# KiCad board ddr5-testboard.kicad_pcb (continued)
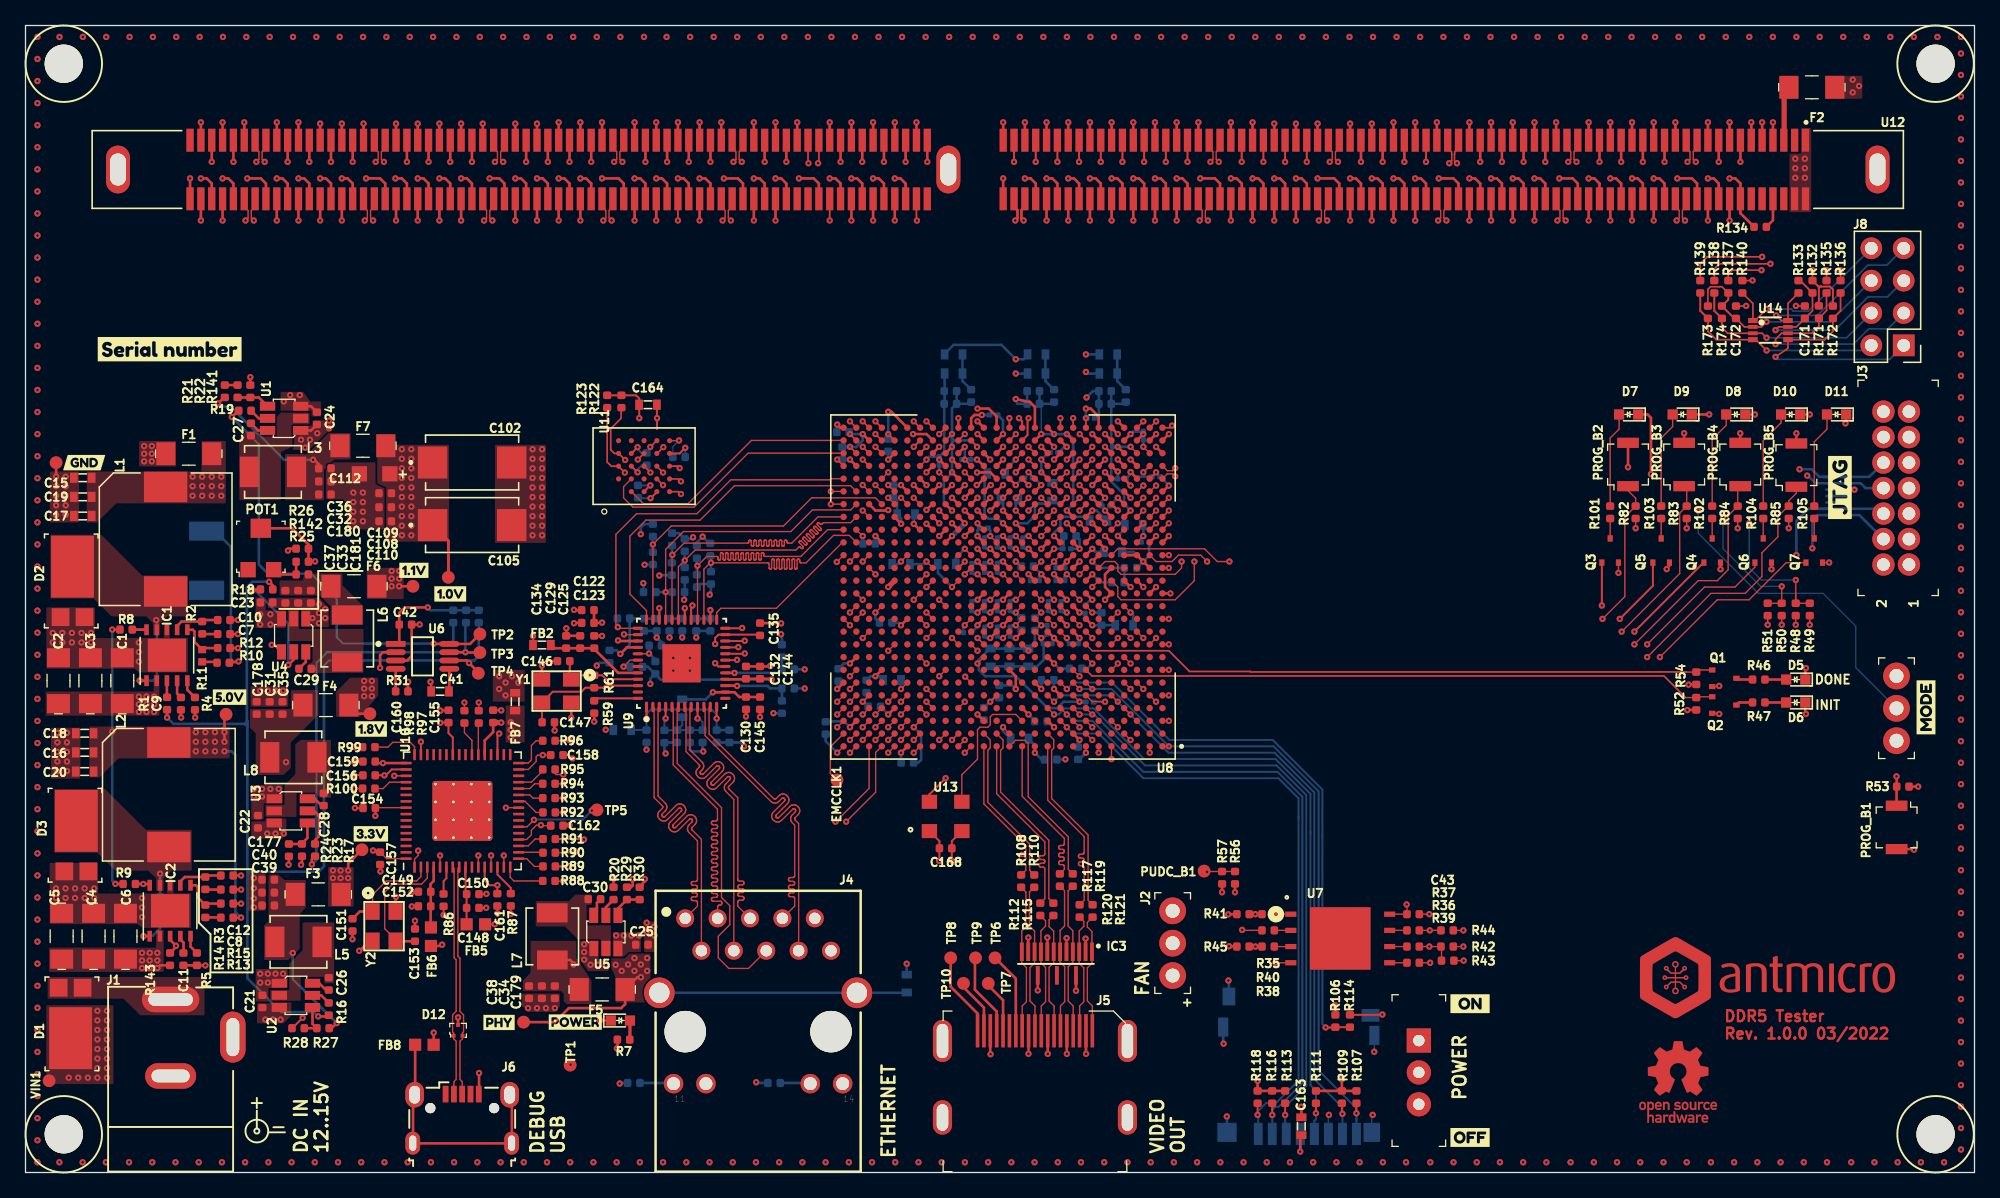
[diagram p0: board, top side]
## Routing (per net, layer and track width the routed paths; a pad name or vN(x,y) marks a point on that pad's centre or on a via; arc(x,y) is an arc through that point) (continued)
DQ14_B: length 61.5
  Top w0.2: U12.263 v1(34.15,74.7) ; U8.AB15 74.64,53.94 v1(74.57,53.94)
  In7.Cu w0.127: v1(34.15,74.7) 34.15,74.15 34.15,74.12 34.14,74.09 34.12,74.07 34.1,74.05 34.08,74.04 34.05,74.03 34.02,74.02 33.92,74.02 33.89,74.02 33.86,74.01 33.84,74 33.82,73.98 33.8,73.95 33.79,73.92 33.79,73.9 33.79,73.87 33.8,73.84 33.82,73.82 33.84,73.8 33.86,73.78 33.89,73.77 33.92,73.77 34.38,73.77 34.41,73.77 34.44,73.76 34.46,73.74 34.48,73.72 34.5,73.7 34.51,73.67 34.51,73.64 34.51,73.61 34.5,73.59 34.48,73.56 34.46,73.54 34.44,73.53 34.41,73.52 34.38,73.52 33.92,73.52 33.89,73.51 33.86,73.5 33.84,73.49 33.82,73.47 33.8,73.44 33.79,73.42 33.79,73.39 33.79,73.36 33.8,73.33 33.82,73.31 33.84,73.29 33.86,73.27 33.89,73.26 33.92,73.26 34.38,73.26 34.41,73.26 34.44,73.25 34.46,73.23 34.48,73.21 34.5,73.19 34.51,73.16 34.51,73.13 34.51,73.11 34.5,73.08 34.48,73.05 34.46,73.03 34.44,73.02 34.41,73.01 34.38,73.01 33.92,73.01 33.89,73 33.86,72.99 33.84,72.98 33.82,72.96 33.8,72.94 33.79,72.91 33.79,72.88 33.79,72.85 33.8,72.82 33.82,72.8 33.84,72.78 33.86,72.77 33.89,72.76 33.92,72.75 34.38,72.75 34.41,72.75 34.44,72.74 34.46,72.73 34.48,72.71 34.5,72.68 34.51,72.65 34.51,72.63 34.51,72.6 34.5,72.57 34.48,72.55 34.46,72.53 34.44,72.51 34.41,72.5 34.38,72.5 33.92,72.5 33.89,72.5 33.86,72.49 33.84,72.47 33.82,72.45 33.8,72.43 33.79,72.4 33.79,72.37 33.79,72.34 33.8,72.32 33.82,72.29 33.84,72.27 33.86,72.26 33.89,72.25 33.92,72.25 34.38,72.25 34.41,72.24 34.44,72.23 34.46,72.22 34.48,72.2 34.5,72.17 34.51,72.15 34.51,72.12 34.51,72.09 34.5,72.06 34.48,72.04 34.46,72.02 34.44,72 34.41,71.99 34.38,71.99 34.28,71.99 34.25,71.99 34.22,71.98 34.2,71.96 34.18,71.94 34.16,71.92 34.15,71.89 34.15,71.86 34.15,67.68 34.64,67.19 63.14,67.19 72.64,57.69 72.64,56.19 73.14,55.69 73.14,55.38 v1(74.57,53.94)
DQ15_A: length 72.7
  Top w0.127: U8.AC2 v3(87.64,54.94)
  Top w0.2: U12.172 v3(116.6,74.7)
  In5.Cu w0.127: v3(87.64,54.94) 87.64,55.06 89.76,57.19 108.19,57.19 112.58,61.58 112.6,61.6 112.61,61.63 112.61,61.65 112.61,61.68 112.61,61.71 112.6,61.74 112.58,61.76 112.48,61.86 112.46,61.88 112.45,61.91 112.44,61.93 112.44,61.96 112.45,61.99 112.46,62.01 112.48,62.04 112.5,62.05 112.53,62.07 112.55,62.07 112.58,62.07 112.61,62.07 112.64,62.05 112.66,62.04 113.04,61.66 113.06,61.64 113.09,61.63 113.11,61.62 113.14,61.62 113.17,61.63 113.19,61.64 113.22,61.66 113.23,61.68 113.25,61.71 113.25,61.73 113.25,61.76 113.25,61.79 113.23,61.81 113.22,61.84 112.84,62.22 112.82,62.24 112.81,62.26 112.8,62.29 112.8,62.32 112.81,62.35 112.82,62.37 112.84,62.4 112.86,62.41 112.89,62.43 112.91,62.43 112.94,62.43 112.97,62.43 112.99,62.41 113.02,62.4 113.4,62.02 113.42,62 113.44,61.99 113.47,61.98 113.5,61.98 113.53,61.99 113.55,62 113.58,62.02 113.59,62.04 113.61,62.06 113.61,62.09 113.61,62.12 113.61,62.15 113.59,62.17 113.58,62.2 113.2,62.58 113.18,62.6 113.17,62.62 113.16,62.65 113.16,62.68 113.17,62.71 113.18,62.73 113.2,62.76 113.22,62.77 113.24,62.79 113.27,62.79 113.3,62.79 113.33,62.79 113.35,62.77 113.38,62.76 113.76,62.38 113.78,62.36 113.8,62.35 113.83,62.34 113.86,62.34 113.89,62.35 113.91,62.36 113.94,62.38 113.95,62.4 113.97,62.42 113.97,62.45 113.97,62.48 113.97,62.51 113.95,62.53 113.94,62.56 113.56,62.94 113.54,62.96 113.53,62.98 113.52,63.01 113.52,63.04 113.53,63.07 113.54,63.09 113.56,63.11 113.58,63.13 113.6,63.14 113.63,63.15 113.66,63.15 113.69,63.14 113.71,63.13 113.74,63.11 114.11,62.74 114.14,62.72 114.16,62.71 114.19,62.7 114.22,62.7 114.25,62.71 114.27,62.72 114.29,62.74 114.31,62.76 114.32,62.78 114.33,62.81 114.33,62.84 114.32,62.87 114.31,62.89 114.29,62.91 113.91,63.29 113.9,63.32 113.88,63.34 113.88,63.37 113.88,63.4 113.88,63.43 113.9,63.45 113.91,63.47 113.94,63.49 113.96,63.5 113.99,63.51 114.02,63.51 114.05,63.5 114.07,63.49 114.09,63.47 114.47,63.09 114.5,63.08 114.52,63.06 114.55,63.06 114.58,63.06 114.61,63.06 114.63,63.08 114.65,63.09 114.67,63.12 114.68,63.14 114.69,63.17 114.69,63.2 114.68,63.23 114.67,63.25 114.65,63.27 114.27,63.65 114.26,63.68 114.24,63.7 114.24,63.73 114.24,63.76 114.24,63.79 114.26,63.81 114.27,63.83 114.3,63.85 114.32,63.86 114.35,63.87 114.38,63.87 114.41,63.86 114.43,63.85 114.45,63.83 114.83,63.45 114.86,63.44 114.88,63.42 114.91,63.42 114.94,63.42 114.96,63.42 114.99,63.44 115.01,63.45 115.03,63.48 115.04,63.5 115.05,63.53 115.05,63.56 115.04,63.59 115.03,63.61 115.01,63.63 114.63,64.01 114.62,64.04 114.6,64.06 114.6,64.09 114.6,64.12 114.6,64.14 114.62,64.17 114.63,64.19 114.66,64.21 114.68,64.22 114.71,64.23 114.74,64.23 114.77,64.22 114.79,64.21 114.81,64.19 115.19,63.81 115.21,63.8 115.24,63.78 115.27,63.78 115.3,63.78 115.32,63.78 115.35,63.8 115.37,63.81 115.39,63.84 115.4,63.86 115.41,63.89 115.41,63.92 115.4,63.94 115.39,63.97 115.37,63.99 114.99,64.37 114.97,64.39 114.96,64.42 114.96,64.45 114.96,64.48 114.96,64.5 114.97,64.53 114.99,64.55 115.01,64.57 115.04,64.58 115.07,64.59 115.1,64.59 115.12,64.58 115.15,64.57 115.17,64.55 115.55,64.17 115.57,64.15 115.6,64.14 115.63,64.14 115.66,64.14 115.68,64.14 115.71,64.15 115.73,64.17 115.75,64.19 115.76,64.22 115.77,64.25 115.77,64.28 115.76,64.3 115.75,64.33 115.73,64.35 115.35,64.73 115.33,64.75 115.32,64.78 115.32,64.81 115.32,64.84 115.32,64.86 115.33,64.89 115.35,64.91 115.37,64.93 115.4,64.94 115.43,64.95 115.46,64.95 115.48,64.94 115.51,64.93 115.53,64.91 115.91,64.53 115.93,64.51 115.96,64.5 115.99,64.49 116.01,64.49 116.04,64.5 116.07,64.51 116.09,64.53 116.11,64.55 116.12,64.58 116.13,64.61 116.13,64.64 116.12,64.66 116.11,64.69 116.09,64.71 115.71,65.09 115.69,65.11 115.68,65.14 115.67,65.17 115.67,65.19 115.68,65.22 115.69,65.25 115.71,65.27 115.73,65.29 115.76,65.3 115.79,65.31 115.81,65.31 115.84,65.3 115.87,65.29 115.89,65.27 116.27,64.89 116.29,64.87 116.32,64.86 116.35,64.85 116.37,64.85 116.4,64.86 116.43,64.87 116.45,64.89 116.47,64.91 116.48,64.94 116.49,64.97 116.49,64.99 116.48,65.02 116.47,65.05 116.45,65.07 116.07,65.45 116.05,65.47 116.04,65.5 116.03,65.53 116.03,65.55 116.04,65.58 116.05,65.61 116.07,65.63 116.09,65.65 116.12,65.66 116.15,65.67 116.17,65.67 116.2,65.66 116.23,65.65 116.25,65.63 116.35,65.53 116.37,65.51 116.4,65.5 116.43,65.49 116.45,65.49 116.48,65.5 116.51,65.51 116.53,65.53 116.6,65.6 116.6,65.77 116.6,65.79 116.61,65.82 116.63,65.85 116.65,65.87 116.67,65.88 116.7,65.89 116.73,65.89 116.87,65.89 116.9,65.9 116.92,65.91 116.95,65.92 116.97,65.94 116.98,65.96 116.99,65.99 117,66.02 116.99,66.05 116.98,66.08 116.97,66.1 116.95,66.12 116.92,66.13 116.9,66.14 116.87,66.15 116.33,66.15 116.3,66.15 116.28,66.16 116.25,66.17 116.23,66.19 116.22,66.22 116.21,66.25 116.2,66.27 116.21,66.3 116.22,66.33 116.23,66.35 116.25,66.37 116.28,66.39 116.3,66.4 116.33,66.4 116.87,66.4 116.9,66.4 116.92,66.41 116.95,66.43 116.97,66.45 116.98,66.47 116.99,66.5 117,66.53 116.99,66.56 116.98,66.58 116.97,66.61 116.95,66.63 116.92,66.64 116.9,66.65 116.87,66.66 116.33,66.66 116.3,66.66 116.28,66.67 116.25,66.68 116.23,66.7 116.22,66.73 116.21,66.75 116.2,66.78 116.21,66.81 116.22,66.84 116.23,66.86 116.25,66.88 116.28,66.9 116.3,66.91 116.33,66.91 116.87,66.91 116.9,66.91 116.92,66.92 116.95,66.94 116.97,66.96 116.98,66.98 116.99,67.01 117,67.04 116.99,67.06 116.98,67.09 116.97,67.12 116.95,67.14 116.92,67.15 116.9,67.16 116.87,67.16 116.33,67.16 116.3,67.17 116.28,67.18 116.25,67.19 116.23,67.21 116.22,67.23 116.21,67.26 116.2,67.29 116.21,67.32 116.22,67.35 116.23,67.37 116.25,67.39 116.28,67.4 116.3,67.41 116.33,67.42 116.87,67.42 116.9,67.42 116.92,67.43 116.95,67.44 116.97,67.46 116.98,67.49 116.99,67.52 117,67.54 116.99,67.57 116.98,67.6 116.97,67.62 116.95,67.64 116.92,67.66 116.9,67.67 116.87,67.67 116.33,67.67 116.3,67.67 116.28,67.68 116.25,67.7 116.23,67.72 116.22,67.74 116.21,67.77 116.2,67.8 116.21,67.83 116.22,67.85 116.23,67.88 116.25,67.9 116.28,67.91 116.3,67.92 116.33,67.92 116.87,67.92 116.9,67.93 116.92,67.94 116.95,67.95 116.97,67.97 116.98,68 116.99,68.02 117,68.05 116.99,68.08 116.98,68.11 116.97,68.13 116.95,68.15 116.92,68.17 116.9,68.18 116.87,68.18 116.33,68.18 116.3,68.18 116.28,68.19 116.25,68.21 116.23,68.23 116.22,68.25 116.21,68.28 116.2,68.31 116.21,68.33 116.22,68.36 116.23,68.39 116.25,68.41 116.28,68.42 116.3,68.43 116.33,68.43 116.87,68.43 116.9,68.44 116.92,68.45 116.95,68.46 116.97,68.48 116.98,68.5 116.99,68.53 117,68.56 116.99,68.59 116.98,68.62 116.97,68.64 116.95,68.66 116.92,68.67 116.9,68.68 116.87,68.69 116.33,68.69 116.3,68.69 116.28,68.7 116.25,68.71 116.23,68.73 116.22,68.76 116.21,68.79 116.2,68.81 116.21,68.84 116.22,68.87 116.23,68.89 116.25,68.91 116.28,68.93 116.3,68.94 116.33,68.94 116.87,68.94 116.9,68.94 116.92,68.95 116.95,68.97 116.97,68.99 116.98,69.01 116.99,69.04 117,69.07 116.99,69.1 116.98,69.12 116.97,69.15 116.95,69.17 116.92,69.18 116.9,69.19 116.87,69.19 116.33,69.19 116.3,69.2 116.28,69.21 116.25,69.22 116.23,69.24 116.22,69.27 116.21,69.29 116.2,69.32 116.21,69.35 116.22,69.38 116.23,69.4 116.25,69.42 116.28,69.44 116.3,69.45 116.33,69.45 116.87,69.45 116.9,69.45 116.92,69.46 116.95,69.48 116.97,69.5 116.98,69.52 116.99,69.55 117,69.58 116.99,69.6 116.98,69.63 116.97,69.66 116.95,69.68 116.92,69.69 116.9,69.7 116.87,69.7 116.33,69.7 116.3,69.71 116.28,69.72 116.25,69.73 116.23,69.75 116.22,69.77 116.21,69.8 116.2,69.83 116.21,69.86 116.22,69.89 116.23,69.91 116.25,69.93 116.28,69.94 116.3,69.95 116.33,69.96 116.87,69.96 116.9,69.96 116.92,69.97 116.95,69.98 116.97,70 116.98,70.03 116.99,70.06 117,70.08 116.99,70.11 116.98,70.14 116.97,70.16 116.95,70.18 116.92,70.2 116.9,70.21 116.87,70.21 116.33,70.21 116.3,70.21 116.28,70.22 116.25,70.24 116.23,70.26 116.22,70.28 116.21,70.31 116.2,70.34 116.21,70.37 116.22,70.39 116.23,70.42 116.25,70.44 116.28,70.45 116.3,70.46 116.33,70.47 116.87,70.47 116.9,70.47 116.92,70.48 116.95,70.49 116.97,70.51 116.98,70.54 116.99,70.56 117,70.59 116.99,70.62 116.98,70.65 116.97,70.67 116.95,70.69 116.92,70.71 116.9,70.72 116.87,70.72 116.33,70.72 116.3,70.72 116.28,70.73 116.25,70.75 116.23,70.77 116.22,70.79 116.21,70.82 116.2,70.85 116.21,70.87 116.22,70.9 116.23,70.93 116.25,70.95 116.28,70.96 116.3,70.97 116.33,70.97 116.47,70.97 116.5,70.98 116.53,70.99 116.55,71 116.57,71.02 116.59,71.04 116.6,71.07 116.6,71.1 v3(116.6,74.7)
DQ15_B: length 61.5
  Top w0.2: U12.265 v1(32.45,74.7) ; U8.AA18 v1(72.64,53.94)
  In7.Cu w0.127: v1(32.45,74.7) 32.45,74.25 32.45,74.22 32.44,74.19 32.42,74.17 32.4,74.15 32.38,74.14 32.35,74.13 32.32,74.12 32.2,74.12 32.17,74.12 32.15,74.11 32.12,74.1 32.1,74.08 32.09,74.05 32.08,74.02 32.08,74 32.08,73.97 32.09,73.94 32.1,73.92 32.12,73.9 32.15,73.88 32.17,73.87 32.2,73.87 32.7,73.87 32.73,73.87 32.75,73.86 32.78,73.84 32.8,73.82 32.81,73.8 32.82,73.77 32.82,73.74 32.82,73.71 32.81,73.69 32.8,73.66 32.78,73.64 32.75,73.63 32.73,73.62 32.7,73.62 32.2,73.62 32.17,73.61 32.15,73.6 32.12,73.59 32.1,73.57 32.09,73.54 32.08,73.52 32.08,73.49 32.08,73.46 32.09,73.43 32.1,73.41 32.12,73.39 32.15,73.37 32.17,73.36 32.2,73.36 32.7,73.36 32.73,73.36 32.75,73.35 32.78,73.33 32.8,73.31 32.81,73.29 32.82,73.26 32.82,73.23 32.82,73.21 32.81,73.18 32.8,73.15 32.78,73.13 32.75,73.12 32.73,73.11 32.7,73.11 32.2,73.11 32.17,73.1 32.15,73.09 32.12,73.08 32.1,73.06 32.09,73.04 32.08,73.01 32.08,72.98 32.08,72.95 32.09,72.92 32.1,72.9 32.12,72.88 32.15,72.87 32.17,72.86 32.2,72.85 32.7,72.85 32.73,72.85 32.75,72.84 32.78,72.83 32.8,72.81 32.81,72.78 32.82,72.75 32.82,72.73 32.82,72.7 32.81,72.67 32.8,72.65 32.78,72.63 32.75,72.61 32.73,72.6 32.7,72.6 32.2,72.6 32.17,72.6 32.15,72.59 32.12,72.57 32.1,72.55 32.09,72.53 32.08,72.5 32.08,72.47 32.08,72.44 32.09,72.42 32.1,72.39 32.12,72.37 32.15,72.36 32.17,72.35 32.2,72.34 32.32,72.34 32.35,72.34 32.38,72.33 32.4,72.32 32.42,72.3 32.44,72.27 32.45,72.25 32.45,72.22 32.45,66.88 33.14,66.19 62.64,66.19 71.64,57.19 71.64,55.69 72.14,55.19 72.14,54.44 v1(72.64,53.94)
DQ16_A: length 66.6
  Top w0.196: U12.29 v1(115.75,79.3)
  Top w0.2: U8.Y5 85.15,52.44 v1(85.64,51.95)
  In7.Cu w0.127: v1(115.75,79.3) 115.75,78.75 115.75,78.72 115.74,78.69 115.72,78.67 115.7,78.65 115.68,78.64 115.65,78.63 115.62,78.62 115.49,78.62 115.46,78.62 115.43,78.61 115.41,78.6 115.39,78.58 115.37,78.55 115.36,78.52 115.36,78.5 115.36,78.47 115.37,78.44 115.39,78.42 115.41,78.4 115.43,78.38 115.46,78.37 115.49,78.37 116.01,78.37 116.04,78.37 116.07,78.36 116.09,78.34 116.11,78.32 116.13,78.3 116.14,78.27 116.14,78.24 116.14,78.21 116.13,78.19 116.11,78.16 116.09,78.14 116.07,78.13 116.04,78.12 116.01,78.12 115.49,78.12 115.46,78.11 115.43,78.1 115.41,78.09 115.39,78.07 115.37,78.04 115.36,78.02 115.36,77.99 115.36,77.96 115.37,77.93 115.39,77.91 115.41,77.89 115.43,77.87 115.46,77.86 115.49,77.86 116.01,77.86 116.04,77.86 116.07,77.85 116.09,77.83 116.11,77.81 116.13,77.79 116.14,77.76 116.14,77.73 116.14,77.71 116.13,77.68 116.11,77.65 116.09,77.63 116.07,77.62 116.04,77.61 116.01,77.61 115.49,77.61 115.46,77.6 115.43,77.59 115.41,77.58 115.39,77.56 115.37,77.54 115.36,77.51 115.36,77.48 115.36,77.45 115.37,77.42 115.39,77.4 115.41,77.38 115.43,77.37 115.46,77.36 115.49,77.35 116.01,77.35 116.04,77.35 116.07,77.34 116.09,77.33 116.11,77.31 116.13,77.28 116.14,77.25 116.14,77.23 116.14,77.2 116.13,77.17 116.11,77.15 116.09,77.13 116.07,77.11 116.04,77.1 116.01,77.1 115.49,77.1 115.46,77.1 115.43,77.09 115.41,77.07 115.39,77.05 115.37,77.03 115.36,77 115.36,76.97 115.36,76.94 115.37,76.92 115.39,76.89 115.41,76.87 115.43,76.86 115.46,76.85 115.49,76.84 116.01,76.84 116.04,76.84 116.07,76.83 116.09,76.82 116.11,76.8 116.13,76.77 116.14,76.75 116.14,76.72 116.14,76.69 116.13,76.66 116.11,76.64 116.09,76.62 116.07,76.6 116.04,76.59 116.01,76.59 115.49,76.59 115.46,76.59 115.43,76.58 115.41,76.56 115.39,76.54 115.37,76.52 115.36,76.49 115.36,76.46 115.36,76.44 115.37,76.41 115.39,76.38 115.41,76.36 115.43,76.35 115.46,76.34 115.49,76.34 116.01,76.34 116.04,76.33 116.07,76.32 116.09,76.31 116.11,76.29 116.13,76.27 116.14,76.24 116.14,76.21 116.14,76.18 116.13,76.15 116.11,76.13 116.09,76.11 116.07,76.1 116.04,76.09 116.01,76.08 115.49,76.08 115.46,76.08 115.43,76.07 115.41,76.06 115.39,76.04 115.37,76.01 115.36,75.98 115.36,75.96 115.36,75.93 115.37,75.9 115.39,75.88 115.41,75.86 115.43,75.84 115.46,75.83 115.49,75.83 116.01,75.83 116.04,75.83 116.07,75.82 116.09,75.8 116.11,75.78 116.13,75.76 116.14,75.73 116.14,75.7 116.14,75.67 116.13,75.65 116.11,75.62 116.09,75.6 116.07,75.59 116.04,75.58 116.01,75.58 115.49,75.58 115.46,75.57 115.43,75.56 115.41,75.55 115.39,75.53 115.37,75.5 115.36,75.48 115.36,75.45 115.36,75.42 115.37,75.39 115.39,75.37 115.41,75.35 115.43,75.33 115.46,75.32 115.49,75.32 116.01,75.32 116.04,75.32 116.07,75.31 116.09,75.29 116.11,75.27 116.13,75.25 116.14,75.22 116.14,75.19 116.14,75.17 116.13,75.14 116.11,75.11 116.09,75.09 116.07,75.08 116.04,75.07 116.01,75.07 115.88,75.07 115.85,75.06 115.82,75.05 115.8,75.04 115.78,75.02 115.76,75 115.75,74.97 115.75,74.94 115.75,57.05 110.65,51.95 87.65,51.95 87.15,51.45 86.14,51.45 v1(85.64,51.95)
DQ16_B: length 73.2
  Top w0.2: U12.122 v3(31.6,79.3) ; U8.AD18 v3(72.64,56.94)
  In5.Cu w0.127: v3(72.64,56.94) 72.64,61.94 69.14,65.44 32.39,65.44 31.6,66.23 31.6,74.74 31.6,74.76 31.59,74.79 31.57,74.82 31.55,74.84 31.53,74.85 31.5,74.86 31.47,74.86 31.34,74.86 31.31,74.87 31.28,74.88 31.26,74.89 31.24,74.91 31.22,74.93 31.21,74.96 31.21,74.99 31.21,75.02 31.22,75.05 31.24,75.07 31.26,75.09 31.28,75.1 31.31,75.11 31.34,75.12 31.86,75.12 31.89,75.12 31.92,75.13 31.94,75.14 31.96,75.16 31.98,75.19 31.99,75.22 31.99,75.24 31.99,75.27 31.98,75.3 31.96,75.32 31.94,75.34 31.92,75.36 31.89,75.37 31.86,75.37 31.34,75.37 31.31,75.37 31.28,75.38 31.26,75.4 31.24,75.42 31.22,75.44 31.21,75.47 31.21,75.5 31.21,75.53 31.22,75.55 31.24,75.58 31.26,75.6 31.28,75.61 31.31,75.62 31.34,75.62 31.86,75.62 31.89,75.63 31.92,75.64 31.94,75.65 31.96,75.67 31.98,75.7 31.99,75.72 31.99,75.75 31.99,75.78 31.98,75.81 31.96,75.83 31.94,75.85 31.92,75.87 31.89,75.88 31.86,75.88 31.34,75.88 31.31,75.88 31.28,75.89 31.26,75.91 31.24,75.93 31.22,75.95 31.21,75.98 31.21,76.01 31.21,76.03 31.22,76.06 31.24,76.09 31.26,76.11 31.28,76.12 31.31,76.13 31.34,76.13 31.86,76.13 31.89,76.14 31.92,76.15 31.94,76.16 31.96,76.18 31.98,76.2 31.99,76.23 31.99,76.26 31.99,76.29 31.98,76.32 31.96,76.34 31.94,76.36 31.92,76.37 31.89,76.38 31.86,76.39 31.34,76.39 31.31,76.39 31.28,76.4 31.26,76.41 31.24,76.43 31.22,76.46 31.21,76.49 31.21,76.51 31.21,76.54 31.22,76.57 31.24,76.59 31.26,76.61 31.28,76.63 31.31,76.64 31.34,76.64 31.86,76.64 31.89,76.64 31.92,76.65 31.94,76.67 31.96,76.69 31.98,76.71 31.99,76.74 31.99,76.77 31.99,76.8 31.98,76.82 31.96,76.85 31.94,76.87 31.92,76.88 31.89,76.89 31.86,76.9 31.34,76.9 31.31,76.9 31.28,76.91 31.26,76.92 31.24,76.94 31.22,76.97 31.21,76.99 31.21,77.02 31.21,77.05 31.22,77.08 31.24,77.1 31.26,77.12 31.28,77.14 31.31,77.15 31.34,77.15 31.86,77.15 31.89,77.15 31.92,77.16 31.94,77.18 31.96,77.2 31.98,77.22 31.99,77.25 31.99,77.28 31.99,77.3 31.98,77.33 31.96,77.36 31.94,77.38 31.92,77.39 31.89,77.4 31.86,77.4 31.34,77.4 31.31,77.41 31.28,77.42 31.26,77.43 31.24,77.45 31.22,77.47 31.21,77.5 31.21,77.53 31.21,77.56 31.22,77.59 31.24,77.61 31.26,77.63 31.28,77.64 31.31,77.65 31.34,77.66 31.86,77.66 31.89,77.66 31.92,77.67 31.94,77.68 31.96,77.7 31.98,77.73 31.99,77.76 31.99,77.78 31.99,77.81 31.98,77.84 31.96,77.86 31.94,77.88 31.92,77.9 31.89,77.91 31.86,77.91 31.34,77.91 31.31,77.91 31.28,77.92 31.26,77.94 31.24,77.96 31.22,77.98 31.21,78.01 31.21,78.04 31.21,78.07 31.22,78.09 31.24,78.12 31.26,78.14 31.28,78.15 31.31,78.16 31.34,78.16 31.86,78.16 31.89,78.17 31.92,78.18 31.94,78.19 31.96,78.21 31.98,78.24 31.99,78.26 31.99,78.29 31.99,78.32 31.98,78.35 31.96,78.37 31.94,78.39 31.92,78.41 31.89,78.42 31.86,78.42 31.34,78.42 31.31,78.42 31.28,78.43 31.26,78.45 31.24,78.47 31.22,78.49 31.21,78.52 31.21,78.55 31.21,78.57 31.22,78.6 31.24,78.63 31.26,78.65 31.28,78.66 31.31,78.67 31.34,78.67 31.47,78.67 31.5,78.68 31.53,78.69 31.55,78.7 31.57,78.72 31.59,78.74 31.6,78.77 31.6,78.8 v3(31.6,79.3)
DQ17_A: length 66.6
  Top w0.2: U12.31 v1(114.05,79.3) ; U8.AA4 v1(86.64,52.94)
  In7.Cu w0.127: v1(114.05,79.3) 114.05,78.85 114.05,78.82 114.04,78.79 114.02,78.77 114,78.75 113.98,78.74 113.95,78.73 113.92,78.72 113.78,78.72 113.75,78.72 113.72,78.71 113.7,78.7 113.68,78.68 113.66,78.65 113.65,78.62 113.65,78.6 113.65,78.57 113.66,78.54 113.68,78.52 113.7,78.5 113.72,78.48 113.75,78.47 113.78,78.47 114.32,78.47 114.35,78.47 114.38,78.46 114.4,78.44 114.42,78.42 114.44,78.4 114.45,78.37 114.45,78.34 114.45,78.31 114.44,78.29 114.42,78.26 114.4,78.24 114.38,78.23 114.35,78.22 114.32,78.22 113.78,78.22 113.75,78.21 113.72,78.2 113.7,78.19 113.68,78.17 113.66,78.14 113.65,78.12 113.65,78.09 113.65,78.06 113.66,78.03 113.68,78.01 113.7,77.99 113.72,77.97 113.75,77.96 113.78,77.96 114.32,77.96 114.35,77.96 114.38,77.95 114.4,77.93 114.42,77.91 114.44,77.89 114.45,77.86 114.45,77.83 114.45,77.81 114.44,77.78 114.42,77.75 114.4,77.73 114.38,77.72 114.35,77.71 114.32,77.71 113.78,77.71 113.75,77.7 113.72,77.69 113.7,77.68 113.68,77.66 113.66,77.64 113.65,77.61 113.65,77.58 113.65,77.55 113.66,77.52 113.68,77.5 113.7,77.48 113.72,77.47 113.75,77.46 113.78,77.45 114.32,77.45 114.35,77.45 114.38,77.44 114.4,77.43 114.42,77.41 114.44,77.38 114.45,77.35 114.45,77.33 114.45,77.3 114.44,77.27 114.42,77.25 114.4,77.23 114.38,77.21 114.35,77.2 114.32,77.2 113.78,77.2 113.75,77.2 113.72,77.19 113.7,77.17 113.68,77.15 113.66,77.13 113.65,77.1 113.65,77.07 113.65,77.04 113.66,77.02 113.68,76.99 113.7,76.97 113.72,76.96 113.75,76.95 113.78,76.94 114.32,76.94 114.35,76.94 114.38,76.93 114.4,76.92 114.42,76.9 114.44,76.87 114.45,76.85 114.45,76.82 114.45,76.79 114.44,76.76 114.42,76.74 114.4,76.72 114.38,76.7 114.35,76.69 114.32,76.69 113.78,76.69 113.75,76.69 113.72,76.68 113.7,76.66 113.68,76.64 113.66,76.62 113.65,76.59 113.65,76.56 113.65,76.54 113.66,76.51 113.68,76.48 113.7,76.46 113.72,76.45 113.75,76.44 113.78,76.44 114.32,76.44 114.35,76.43 114.38,76.42 114.4,76.41 114.42,76.39 114.44,76.37 114.45,76.34 114.45,76.31 114.45,76.28 114.44,76.25 114.42,76.23 114.4,76.21 114.38,76.2 114.35,76.19 114.32,76.18 113.78,76.18 113.75,76.18 113.72,76.17 113.7,76.16 113.68,76.14 113.66,76.11 113.65,76.08 113.65,76.06 113.65,76.03 113.66,76 113.68,75.98 113.7,75.96 113.72,75.94 113.75,75.93 113.78,75.93 114.32,75.93 114.35,75.93 114.38,75.92 114.4,75.9 114.42,75.88 114.44,75.86 114.45,75.83 114.45,75.8 114.45,75.77 114.44,75.75 114.42,75.72 114.4,75.7 114.38,75.69 114.35,75.68 114.32,75.67 113.78,75.67 113.75,75.67 113.72,75.66 113.7,75.65 113.68,75.63 113.66,75.6 113.65,75.58 113.65,75.55 113.65,75.52 113.66,75.49 113.68,75.47 113.7,75.45 113.72,75.43 113.75,75.42 113.78,75.42 114.32,75.42 114.35,75.42 114.38,75.41 114.4,75.39 114.42,75.37 114.44,75.35 114.45,75.32 114.45,75.29 114.45,75.27 114.44,75.24 114.42,75.21 114.4,75.19 114.38,75.18 114.35,75.17 114.32,75.17 113.78,75.17 113.75,75.16 113.72,75.15 113.7,75.14 113.68,75.12 113.66,75.1 113.65,75.07 113.65,75.04 113.65,75.01 113.66,74.98 113.68,74.96 113.7,74.94 113.72,74.93 113.75,74.92 113.78,74.91 114.32,74.91 114.35,74.91 114.38,74.9 114.4,74.89 114.42,74.87 114.44,74.84 114.45,74.81 114.45,74.79 114.45,74.76 114.44,74.73 114.42,74.71 114.4,74.69 114.38,74.67 114.35,74.66 114.32,74.66 113.78,74.66 113.75,74.66 113.72,74.65 113.7,74.63 113.68,74.61 113.66,74.59 113.65,74.56 113.65,74.53 113.65,74.5 113.66,74.48 113.68,74.45 113.7,74.43 113.72,74.42 113.75,74.41 113.78,74.41 114.32,74.41 114.35,74.4 114.38,74.39 114.4,74.38 114.42,74.36 114.44,74.33 114.45,74.31 114.45,74.28 114.45,74.25 114.44,74.22 114.42,74.2 114.4,74.18 114.38,74.16 114.35,74.15 114.32,74.15 113.78,74.15 113.75,74.15 113.72,74.14 113.7,74.12 113.68,74.1 113.66,74.08 113.65,74.05 113.65,74.02 113.65,74 113.66,73.97 113.68,73.94 113.7,73.92 113.72,73.91 113.75,73.9 113.78,73.9 113.92,73.9 113.95,73.89 113.98,73.88 114,73.87 114.02,73.85 114.04,73.83 114.05,73.8 114.05,73.77 114.05,57.35 109.64,52.94 v1(86.64,52.94)
